# Allegro board PandaX_III_V3.brd (continued)
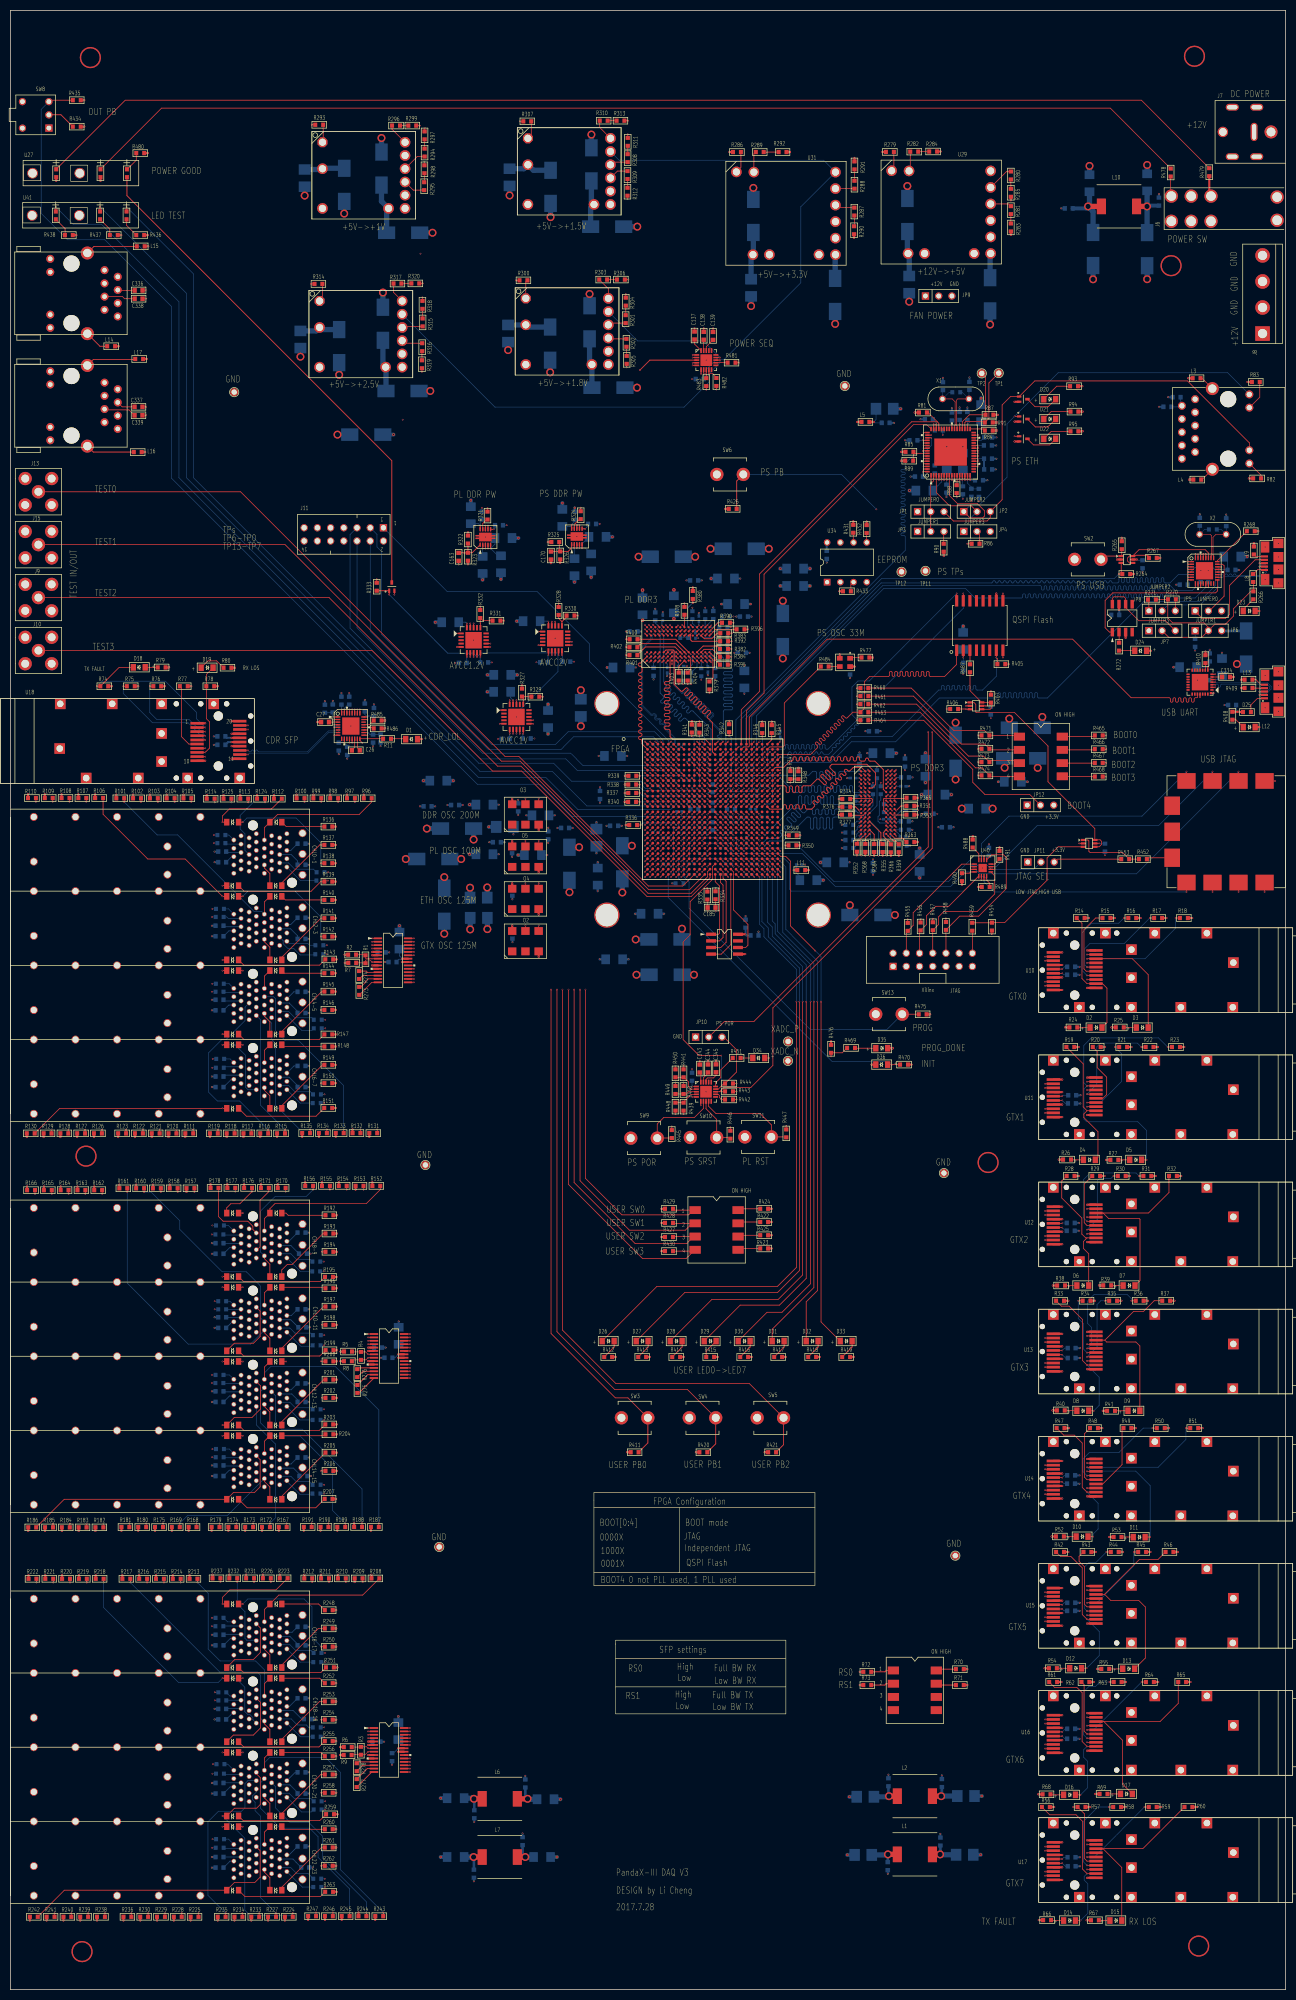
[diagram p0: board, top side]
## Routing (per net, layer and track width the routed paths; a pad name or vN(x,y) marks a point on that pad's centre or on a via; arc(x,y) is an arc through that point) (continued)
  BOTTOM w0.127: v1(143.93,213.62) 143.93,204.56 144.78,203.71 144.78,202.13 151.03,195.89 v1(151.03,189.69)
USER_LED1: length 117.4
  TOP w0.102: U1.AE22 v1(143.93,214.62)
  TOP w0.127: D27.1 129.57,133.83 147.4,133.83 151.59,138.02 v1(151.59,189.69)
  BOTTOM w0.127: v1(151.59,189.69) 151.59,196.17 145.62,202.13 145.62,203.84 144.4,205.06 144.4,214.17 143.96,214.62 v1(143.93,214.62)
USER_LED2: length 113.9
  TOP w0.102: U1.AC23 v1(144.93,216.62)
  TOP w0.127: v1(152.22,189.69) 152.22,137.21 147.5,132.49 134.75,132.49 D28.1
  BOTTOM w0.127: v1(144.93,216.62) 144.95,216.62 145.44,216.13 145.44,204.95 146.38,204.01 146.38,202.26 152.22,196.42 v1(152.22,189.69)
USER_LED3: length 108.3
  TOP w0.102: U1.AC24 v1(145.93,216.62)
  TOP w0.127: D29.1 140.22,131.42 147.78,131.42 152.91,136.55 v1(152.91,189.69)
  BOTTOM w0.127: v1(145.93,216.62) 145.93,216.53 146.38,216.08 146.38,205.18 146.94,204.62 146.94,202.72 152.91,196.75 v1(152.91,189.69)
USER_LED4: length 102.1
  TOP w0.102: U1.AD25 v1(146.93,215.62)
  TOP w0.127: v1(153.75,189.69) 153.75,135.54 148.26,130.05 145.38,130.05 D30.1
  BOTTOM w0.127: v1(146.93,215.62) 146.93,215.53 147.42,215.04 147.42,203.15 153.77,196.8 153.77,189.71 v1(153.75,189.69)
USER_LED5: length 97.8
  TOP w0.102: U1.AD26 v1(147.93,215.62)
  TOP w0.127: D31.1 146.37,126.79 154.38,134.8 v1(154.38,189.69)
  BOTTOM w0.127: v1(147.93,215.62) 147.99,215.62 148.41,215.19 148.41,202.97 154.38,197 v1(154.38,189.69)
USER_LED6: length 96.6
  TOP w0.102: U1.AC26 v1(147.93,216.62)
  TOP w0.127: D32.1 152.9,132.05 155.04,134.19 v1(155.04,189.69)
  BOTTOM w0.127: v1(147.93,216.62) 149,215.55 149,203.56 155.04,197.51 v1(155.04,189.69)
USER_LED7: length 99.2
  TOP w0.127: U1.AB26 147.44,218.12 147.98,217.58 148.97,217.58 149.89,216.66 149.89,204.22 v1(154.64,199.47) ; D33.1 155.75,128.19 v1(155.75,189.69)
  BOTTOM w0.127: v1(154.64,199.47) 155.75,198.35 v1(155.75,189.69)
USER_PB0: length 145.7
  TOP w0.102: U1.AA13 v1(133.92,218.62)
  TOP w0.127: v1(103.88,192) 103.88,125.97 116.23,113.62 118.64,113.62 SW3.2
  TOP w0.152: SW3.2 122.48,104.95 R411.2
  SIG3 w0.127: v1(133.92,218.62) 133.49,219.05 126.72,219.05 126.44,218.77 126.44,211.61 116.71,201.88 112.65,201.88 103.88,193.11 v1(103.88,192)
USER_PB1: length 154.5
  TOP w0.102: U1.AB12 v1(132.92,217.62)
  TOP w0.127: v1(105.01,192) 105.01,126.31 116.08,115.24 130.06,115.24 SW4.2
  TOP w0.152: R420.2 135.52,104.78 SW4.2
  SIG3 w0.127: v1(132.92,217.62) 132.35,218.19 127.56,218.19 127.41,218.03 127.41,213.16 127.71,212.85 127.71,212.22 116.4,200.91 112.82,200.91 105.01,193.1 v1(105.01,192)
USER_PB2: length 162.6
  TOP w0.102: U1.AC11 v1(131.92,216.62)
  TOP w0.127: SW5.2 141.98,116.36 116.33,116.36 106.07,126.62 v1(106.07,192)
  TOP w0.152: SW5.2 148.56,104.62 R421.2
  SIG3 w0.127: v1(106.07,192) 106.07,193.02 112.9,199.85 116,199.85 128.37,212.22 128.37,216.92 128.6,217.15 131.39,217.15 v1(131.92,216.62)
USER_SW0: length 101.6
  TOP w0.102: U1.AD13 v1(133.92,215.62)
  TOP w0.127: v1(110.49,192) 110.49,155.75 117.5,148.74 130.33,148.74 131.24,149.66 ; 131.24,149.66 127.56,149.66 R429.2 ; 131.24,149.66 SW7.1
  SIG3 w0.127: v1(110.49,192) 115.52,192 132.36,208.84 132.36,213.08 133.92,214.64 v1(133.92,215.62)
USER_SW1: length 103.4
  TOP w0.102: U1.AE12 v1(132.92,214.62)
  TOP w0.127: v1(109.45,192) 109.45,155.3 118.95,145.8 129.67,145.8 130.99,147.12 ; 130.99,147.12 127.39,147.12 R428.2 ; 130.99,147.12 SW7.2
  SIG3 w0.127: v1(109.45,192) 111.73,194.29 116.54,194.29 131.37,209.12 131.37,214.02 131.52,214.17 132.48,214.17 v1(132.92,214.62)
USER_SW2: length 105.9
  TOP w0.102: U1.AE11 v1(131.92,214.62)
  TOP w0.127: v1(108.31,192) 108.31,154.97 120.01,143.26 129.95,143.26 131.27,144.58 ; 131.27,144.58 127.39,144.58 R427.2 ; 131.27,144.58 SW7.3
  SIG3 w0.127: v1(131.92,214.62) 130.64,214.62 130.53,214.5 130.53,210.26 117.53,197.26 113.56,197.26 v1(108.31,192)
USER_SW3: length 111.7
  TOP w0.102: U1.AC12 v1(132.92,216.62)
  TOP w0.127: R430.2 131.31,141.78 SW7.4 131.52,142.04 129.82,140.34 121.49,140.34 107.24,154.59 v1(107.24,192)
  SIG3 w0.127: v1(132.92,216.62) 132.48,216.18 129.64,216.18 129.39,215.93 129.39,212.65 115.6,198.86 113.18,198.86 107.24,192.91 v1(107.24,192)
USER_TP0: length 78.8
  TOP w0.102: U1.E6 v1(126.92,235.62)
  BOTTOM w0.127: J11.1 83.95,268.4 101.22,268.4 111.23,258.4 111.23,255.04 126.52,239.75 126.52,235.97 126.86,235.62 v1(126.92,235.62)
USER_TP1: length 90.1
  TOP w0.102: U1.D5 v1(125.92,236.62)
  BOTTOM w0.127: v1(125.92,236.62) 125.92,236.66 125.37,237.21 125.37,239.9 123.77,241.5 107.16,241.5 104.72,239.07 92.46,239.07 71.3,260.22 71.3,276.12 70.43,276.99 70.43,279.38 J11.3
USER_TP2: length 92.7
  TOP w0.102: U1.G5 v1(125.92,233.62)
  BOTTOM w0.127: v1(125.92,233.62) 125.92,233.62 125.45,234.09 108.92,234.09 106.71,236.3 90.35,236.3 65.27,261.38 65.27,279.36 66.57,280.67 J11.5
USER_TP3: length 85.7
  TOP w0.102: U1.C6 v1(126.92,237.62)
  SIG4 w0.127: J11.7 63.09,279.71 63.09,275.64 85.57,253.16 104.17,253.16 119.25,238.08 126.47,238.08 126.92,237.62 v1(126.92,237.62)
USER_TP4: length 90.3
  TOP w0.102: U1.E7 v1(127.92,235.62)
  SIG4 w0.127: v1(127.92,235.62) 127.9,235.62 127.53,235.99 118.47,235.99 103.3,251.16 84.81,251.16 60.45,275.51 60.45,279.6 J11.9
USER_TP5: length 93.8
  TOP w0.102: U1.G6 v1(126.92,233.62)
  SIG4 w0.127: v1(126.92,233.62) 126.92,233.68 126.52,234.09 97.66,234.09 57.84,273.91 57.84,279.53 J11.11
USER_TP6: length 98.2
  TOP w0.102: U1.H6 v1(126.92,232.62)
  SIG4 w0.127: v1(126.92,232.62) 126.92,232.56 126.54,232.18 96.16,232.18 54.56,273.79 54.56,278.79 J11.13
USER_TP7: length 74.9
  TOP w0.102: U1.F4 v1(124.92,234.62)
  SIG1 w0.127: v1(124.92,234.62) 124.49,235.06 124.49,240.11 124,240.59 113.56,240.59 76.02,278.13 J11.2
USER_TP8: length 89.3
  TOP w0.102: U1.E5 v1(125.92,235.62)
  BOTTOM w0.127: J11.4 69.14,260.78 91.85,238.08 105.77,238.08 108.23,240.54 123.55,240.54 124.43,239.65 124.43,236.27 124.56,236.14 125.2,236.14 125.72,235.62 v1(125.92,235.62)
USER_TP9: length 89.8
  TOP w0.102: U1.F7 v1(127.92,234.62)
  BOTTOM w0.127: v1(127.92,234.62) 127.52,235.03 110.01,235.03 107.65,237.39 90.68,237.39 66.6,261.47 J11.6
USER_TP10: length 83.9
  TOP w0.102: U1.C7 v1(127.92,237.62)
  SIG4 w0.127: J11.8 73.93,268.26 73.95,268.26 74.2,268.01 74.2,267.99 74.42,267.77 101.68,267.77 111.15,258.29 111.15,254.76 126.75,239.17 127.1,239.17 127.46,238.81 127.46,238.18 127.92,237.71 v1(127.92,237.62)
USER_TP11: length 84.5
  TOP w0.102: U1.D6 v1(126.92,236.62)
  SIG4 w0.127: v1(126.92,236.62) 126.92,236.73 126.57,237.08 118.97,237.08 104.29,251.77 85.88,251.77 61.52,276.12 J11.10
USER_TP12: length 88.3
  TOP w0.102: U1.F5 v1(125.92,234.62)
  SIG4 w0.127: v1(125.92,234.62) 125.92,234.63 125.55,235 97.59,235 58.98,273.61 J11.12
USER_TP13: length 94.2
  TOP w0.102: U1.G7 v1(127.92,233.62)
  SIG4 w0.127: v1(127.92,233.62) 127.92,233.49 127.53,233.1 121.64,233.1 121.16,233.58 96.16,233.58 56.12,273.62 56.12,277.81 J11.14
XADC_N: length 38
  TOP w0.102: R335.2 133.91,207.8 C185.2 v1(133.96,207)
  SIG4 w0.102: v1(133.96,207) 134.49,207 134.59,206.9 134.59,193.52 147.93,180.19 148.41,180.19 148.51,180.09 148.51,179.2 TP10.1
XADC_P: length 37.3
  TOP w0.102: v1(135.48,207) C185.1 R334.2
  SIG4 w0.102: v1(135.48,207) 134.95,207 134.85,206.9 134.85,193.63 148.03,180.44 148.41,180.44 148.51,180.54 148.51,181.13 TP9.1
N15277247: length 2.7
  TOP w0.127: D25.1 235.46,243.82 R408.2
N15277527: length 2.3
  TOP w0.127: R409.2 238.69,249.88 J14.4
N15277603: length 1.9
  TOP w0.127: C334.1 230.88,252.02 U35.6
N15277643: length 1.4
  TOP w0.127: U35.9 229.62,253.37 R410.1
N15277901: length 2.7
  TOP w0.127: J14.5 240.3,250.53 239.32,251.51 L13.1
N15278231: length 11.6
  TOP w0.127: U36.4 188.24,245.82 188.52,246.1 188.52,246.97 R407.1 188.34,247.14 U36.6 184.38,249.38 R487.1
N15288988: length 3.5
  TOP w0.127: U25.1 100.08,356.09 R307.2
N15289050: length 4.2
  TOP w0.127: U25.10 113.23,357.52 R310.2
N15289184: length 3.8
  TOP w0.127: R309.2 116.62,349.15 U25.7
N15289188: length 1.7
  TOP w0.127: R310.1 R313.2
N15289192: length 1.7
  TOP w0.127: R312.2 R309.1
N15289336: length 1.6
  TOP w0.127: R308.1 118.62,352.43 R311.2
N15289340: length 3.5
  TOP w0.127: U25.8 115.81,350.88 R308.2
N15289432: length 2.3
  TOP w0.127: R321.1 91.52,282.25 90.76,281.49 U28.9
N15289798: length 6.6
  TOP w0.152: C163.1 87.88,275.85 R323.2 ; U28.1 88.71,275.87 R323.2 ; R322.1 R323.2
N15290016: length 3.4
  TOP w0.127: R293.2 60.1,354.82 U23.1
N15290076: length 4.2
  TOP w0.127: U23.10 73.33,357.19 R296.2
N15290212: length 4.3
  TOP w0.127: R295.2 77.4,345.49 U23.7
N15290216: length 1.6
  TOP w0.127: R296.1 R299.2
N15290220: length 1.7
  TOP w0.127: R298.2 79.55,347.07 R295.1
N15290368: length 2.5
  TOP w0.152: U32.9 108.34,281.3 109.36,282.32 R324.1
N15290680: length 6.9
  TOP w0.127: R326.2 105.46,276.3 R325.1
  TOP w0.152: C170.1 105.61,276.1 R326.2 107.17,276.12 107.84,276.8 U32.1
N15290796: length 1.8
  TOP w0.127: R297.2 R294.1
N15290800: length 4.7
  TOP w0.127: U23.8 78.17,351.94 R294.2
N15290950: length 3.6
  TOP w0.127: R300.2 99.02,327.85 U24.1
N15291012: length 4.3
  TOP w0.127: U24.10 114.89,326.56 R303.2
N15291188: length 3.5
  TOP w0.127: U24.7 115.05,316.94 R302.2
N15291192: length 1.9
  TOP w0.127: R306.2 R303.1
N15291196: length 1.8
  TOP w0.127: R302.1 118.36,313.72 R305.2
N15291324: length 1.8
  TOP w0.127: R304.2 118.24,321.51 R301.1
N15291328: length 3.5
  TOP w0.127: R301.2 115.22,319.96 U24.8
N15294561: length 4.5
  TOP w0.127: R332.1 90.78,262.84 R331.2
  TOP w0.152: R332.1 90.27,262.32 90.3,262.29 U22.16
N15295063: length 3.9
  TOP w0.152: R328.2 105.33,263.29 105.97,262.65 ; 105.97,262.65 106.86,263.53 R330.1 ; 105.97,262.65 U21.16
N15295507: length 3.4
  TOP w0.152: R329.1 98.32,248.24 ; 98.32,248.24 98.53,248.03 U20.16 ; 98.32,248.24 R327.2
N15326704: length 3.8
  TOP w0.127: J6.6 222.94,344.48 R478.1
N15330868: length 2.4
  TOP w0.127: R24.1 205.03,184.71 D2.1
N15331044: length 2.4
  TOP w0.127: D3.1 216.31,184.74 R25.1
N15331388: length 12.3
  TOP w0.127: U14.5 206.86,97.89 206.35,98.4 206.35,106.71 R48.1
N15331392: length 13.7
  TOP w0.127: R49.1 213.59,107.53 213.59,100.79 209.88,97.08 U14.4
N15331892: length 2.3
  TOP w0.127: R481.1 135.56,312.37 U30.12
N15331992: length 2.6
  TOP w0.127: U30.20 131.44,315.95 C137.1
N15332000: length 2.1
  TOP w0.127: U30.19 133.21,316.75 C138.1
N15332008: length 2.6
  TOP w0.127: C139.1 133.71,315.44 U30.18
N15332434: length 2.6
  TOP w0.127: R68.1 199.95,37.39 D16.1
N15332542: length 2.5
  TOP w0.127: R69.1 D17.1
N15332870: length 2.3
  TOP w0.127: R40.1 204.83,111.2 D8.1
N15333072: length 2.5
  TOP w0.127: R41.1 D9.1
N15333252: length 12.1
  TOP w0.127: U12.5 206.86,146.71 206.32,147.24 206.32,154.67 R29.1
N15333574: length 2.4
  TOP w0.127: R52.1 204.75,87 D10.1
N15333794: length 2.3
  TOP w0.127: D11.1 215.72,86.89 R53.1
N15333837: length 2.1
  TOP w0.127: R282.1 176.5,352.88 R284.2
N15333841: length 3.8
  TOP w0.127: R282.2 172.9,349.42 U29.11
N15333926: length 12.6
  TOP w0.127: U11.5 209.91,171.12 210.64,171.86 210.64,175.18 208.81,177.01 208.81,180.13 R20.1
N15333936: length 16.3
  TOP w0.127: R30.1 v1(211.94,156.21) ; U12.4 v1(206.86,145.9)
  BOTTOM w0.127: v1(206.86,145.9) 208.84,147.88 208.84,155.32 209.25,155.73 211.45,155.73 v1(211.94,156.21)
N15333940: length 18.1
  TOP w0.127: U11.4 v1(206.86,170.31) ; R21.1 v1(212.2,180.98)
  BOTTOM w0.127: v1(212.2,180.98) 213.53,179.66 213.53,174.38 209.47,170.33 206.88,170.33 v1(206.86,170.31)
N15334013: length 3.8
  TOP w0.127: U29.1 169.75,349.66 R279.2
N15334061: length 4.1
  TOP w0.127: R281.2 191.8,342.85 U29.8
N15334065: length 1.8
  TOP w0.127: R283.2 R281.1
N15334125: length 5.1
  TOP w0.127: R280.2 191.4,349.07 U29.9
N15334153: length 1.8
  TOP w0.127: R280.1 R285.2
N15334432: length 14.5
  TOP w0.127: U10.5 206.71,195.53 206.27,195.96 206.27,203.51 208.51,205.74 R15.1
N15334486: length 20.4
  TOP w0.127: R16.1 v1(213.96,205.74) ; U10.4 v1(206.86,194.72)
  BOTTOM w0.127: v1(213.96,205.74) 212.97,204.75 207.75,204.75 205.92,202.92 205.92,195.66 v1(206.86,194.72)
N15334680: length 2.4
  TOP w0.127: R26.1 203.83,159.31 206.17,159.31
N15335110: length 2.2
  TOP w0.127: R27.1 D5.1
N15335863: length 4.2
  TOP w0.127: R286.2 140.36,349.86 U31.1
N15335912: length 2.4
  TOP w0.127: R66.1 200.02,13.26 D14.1
N15335929: length 4
  TOP w0.127: U31.11 142.85,352.44 R289.2
N15335977: length 3.7
  TOP w0.127: R288.2 162.16,345.79 U31.9
N15335981: length 2.9
  TOP w0.127: R289.1 R292.2
N15335985: length 2.2
  TOP w0.127: R288.1 R291.2
N15336033: length 2.1
  TOP w0.127: R287.1 162.15,338.61 R290.2
N15336037: length 3.8
  TOP w0.127: R287.2 159,342.14 U31.8
N15336038: length 2.1
  TOP w0.127: D15.1 209.19,13.26 R67.1
N15336442: length 13.2
  TOP w0.127: U13.5 v1(206.86,122.3) ; R34.1 v1(205.17,132.26)
  BOTTOM w0.127: v1(206.86,122.3) 206.17,122.99 206.17,127.86 205.17,128.86 v1(205.17,132.26)
N15336656: length 2.3
  TOP w0.127: R38.1 D6.1
N15336684: length 13.2
  TOP w0.127: U15.5 206.86,73.48 206.35,73.99 206.35,81.2 205.33,82.22 205.33,83.19 R43.1
N15336860: length 2.3
  TOP w0.127: 213.79,135.18 213.77,135.21 R39.1
N15336904: length 16.7
  TOP w0.127: R44.1 v1(210.59,84.02) ; U15.4 v1(206.86,72.67)
  BOTTOM w0.127: v1(206.86,72.67) 206.35,73.18 206.35,81.13 207.24,82.02 208.58,82.02 v1(210.59,84.02)
N15337012: length 15.2
  TOP w0.127: U13.4 v1(206.86,121.49) ; R35.1 v1(210.27,132.26)
  BOTTOM w0.127: v1(206.86,121.49) 208.79,123.42 208.79,131.55 209.5,132.26 v1(210.27,132.26)
N15337194: length 2.5
  TOP w0.127: R54.1 D12.1
N15337320: length 2.6
  TOP w0.127: R55.1 213.69,61.57 D13.1
N15352327: length 3.8
  TOP w0.152: 116,124.51 116,123.37 R412.1
N15352363: length 3.8
  TOP w0.152: R413.1 122.53,123.37 D27.2
N15352407: length 3.8
  TOP w0.152: R414.1 129.06,123.37 D28.2
N15352475: length 3.8
  TOP w0.152: R415.1 133.69,122.61 D29.2
N15352519: length 3.8
  TOP w0.152: R416.1 142.13,123.37 D30.2
N15354007: length 2
  TOP w0.127: U34.3 161.49,269.72 R433.1
N15354087: length 4.4
  TOP w0.127: SW7.5 140.07,142.29 R423.1
N15354395: length 4.4
  TOP w0.127: SW7.8 140.07,149.91 R424.1
N15354449: length 4.4
  TOP w0.127: SW7.7 140.07,147.37 R422.1
N15354453: length 4.4
  TOP w0.127: SW7.6 140.07,144.83 R425.1
N15354888: length 3.9
  TOP w0.127: R480.1 24.18,351.23 22.45,349.51 U27.7
N15356279: length 3.5
  TOP w0.127: R314.2 59.94,324.75 U26.1
N15356341: length 4
  TOP w0.127: R317.2 73.61,325.87 U26.10
N15356469: length 4.1
  TOP w0.127: R316.2 75.75,316.1 U26.7
N15356473: length 1.9
  TOP w0.127: R317.1 77.01,327.56 R320.2
N15356477: length 1.8
  TOP w0.127: R316.1 79.07,314.53 R319.2
N15356585: length 1.9
  TOP w0.127: R315.1 79.2,322.68 R318.2
N15356589: length 4
  TOP w0.127: R315.2 75.47,319.33 U26.8
N15358771: length 6.8
  TOP w0.127: R451.2 136.5,176.58 136.5,175.11 135.49,174.1 U38.15
N15358823: length 2.3
  TOP w0.127: R451.1 D34.2
N15359423: length 3.9
  TOP w0.152: SW1.8 178.17,61.52 R70.1
N15359430: length 3.9
  TOP w0.152: SW1.7 178.17,58.47 R71.1
N15360001: length 2.1
  TOP w0.127: O1.3 159.34,254.03 R484.2
N15360071: length 2.2
  TOP w0.127: O1.1 161.49,255.75 R477.1
N15361005: length 13.5
  TOP w0.127: JP10.3 137.08,182.88 139.52,180.44 139.52,176.18 R444.1 137.09,173.97 136.01,172.89 U38.14
N15361284: length 6.5
  TOP w0.102: U1.AB8 v1(128.92,217.62)
  BOTTOM w0.127: v1(128.92,217.62) 128.42,217.12 128.42,213.31 R344.1
N15362351: length 4.8
  TOP w0.127: U38.4 130.79,171.89 129.34,170.44 R439.1 R448.2
N15362355: length 4.2
  TOP w0.127: R449.2 R440.1 129.87,171.96 130.3,172.39 U38.3
N15362359: length 5.5
  TOP w0.127: R450.2 R441.1 129.41,175.16 130.3,174.27 130.3,173.41 130.82,172.89 U38.2
N15362510: length 9.9
  TOP w0.152: R342.1 v1(138.1,240.74) ; U1.H16 v1(137.93,232.62)
  BOTTOM w0.152: v1(138.1,240.74) 138.51,240.34 138.51,233.2 v1(137.93,232.62)
N15362645: length 3.4
  TOP w0.127: C345.1 135.59,175.54 135.08,175.03 133.94,175.03 133.65,174.75 U38.18
N15362653: length 2.2
  TOP w0.127: U38.19 133.15,175.07 134.04,175.95 C344.1
N15362673: length 1.9
  TOP w0.127: U38.20 132.65,175.88 C343.1
N15362832: length 11.6
  TOP w0.152: U1.K12 v1(132.92,230.62) ; R343.2 v1(132.38,240.64)
  BOTTOM w0.127: v1(132.92,230.62) 132.38,231.16 v1(132.38,240.64)
N15362886: length 8.5
  TOP w0.102: U1.T7 v1(127.92,223.62)
  TOP w0.127: R336.2 v1(121.11,223.6)
  BOTTOM w0.127: v1(127.92,223.62) 127.56,223.98 121.46,223.98 121.11,223.62 v1(121.11,223.6)
N15362952: length 17.6
  TOP w0.102: U1.N14 v1(135.93,227.62)
  TOP w0.127: R334.1 v1(135.48,211.56)
  SIG2 w0.127: v1(135.48,211.56) 135.48,227.18 v1(135.93,227.62)
N15362970: length 16
  TOP w0.102: U1.P13 v1(133.92,225.62)
  TOP w0.127: R335.1 v1(133.91,211.51)
  SIG2 w0.127: v1(133.91,211.51) 134.52,212.12 134.52,225.02 v1(133.92,225.62)
N15363194: length 10.5
  TOP w0.102: U1.H9 v1(129.92,232.62)
  TOP w0.127: R339.2 v1(120.95,233.05)
  BOTTOM w0.127: v1(120.95,233.05) 129.5,233.05 v1(129.92,232.62)
N15365060: length 13.4
  TOP w0.102: U1.K11 v1(131.92,230.62)
  TOP w0.127: R338.1 v1(120.93,231.37)
  BOTTOM w0.127: v1(120.93,231.37) 120.93,230.86 121.62,230.18 131.5,230.18 131.92,230.6 v1(131.92,230.62)
N15365160: length 11.8
  TOP w0.102: U1.K10 v1(130.92,230.62)
  TOP w0.127: R341.2 v1(130.91,240.67)
  BOTTOM w0.127: v1(130.92,230.62) 131.37,231.07 131.37,240.21 v1(130.91,240.67)
N15366806: length 9.6
  TOP w0.102: U1.N8 v1(128.92,227.62)
  TOP w0.127: R340.2 v1(120.9,228.04)
  BOTTOM w0.127: v1(128.92,227.62) 128.5,228.04 v1(120.9,228.04)
N15366872: length 10.8
  TOP w0.102: U1.L9 v1(129.92,229.62)
  TOP w0.127: R337.2 v1(120.93,229.74)
  BOTTOM w0.127: v1(129.92,229.62) 129.85,229.62 129.41,229.19 121.49,229.19 v1(120.93,229.74)
N15370771: length 14
  TOP w0.102: U1.H18 v1(139.93,232.62)
  TOP w0.127: R347.1 v1(149.86,231.73)
  TOP w0.152: R347.1 151.38,232.41 R348.2
  SIG1 w0.127: v1(139.93,232.62) 140.44,232.11 149.53,232.11 149.86,231.78 v1(149.86,231.73)
  BOTTOM w0.152: C268.1 140.41,232.14 v1(139.93,232.62)
N15371363: length 2.5
  TOP w0.152: R345.1 146.28,239.97 U1.A24
N15371367: length 6.5
  TOP w0.102: U1.E23 v1(144.93,235.62)
  TOP w0.127: R346.2 v1(144.45,240.56)
  BOTTOM w0.127: v1(144.45,240.56) 144.48,240.54 144.48,236.12 144.93,235.67 v1(144.93,235.62)
N15371637: length 7.8
  TOP w0.102: U1.V21 v1(142.93,221.62)
  TOP w0.127: R349.1 v1(148.87,221.62)
  SIG3 w0.127: v1(142.93,221.62) 142.98,221.62 143.54,222.17 148.31,222.17 v1(148.87,221.62)
N15371671: length 7.7
  TOP w0.102: U1.W21 v1(142.93,220.62)
  TOP w0.127: R350.2 v1(148.82,219.69)
  SIG3 w0.127: v1(148.82,219.69) 148.39,220.12 143.43,220.12 v1(142.93,220.62)
N15988634: length 46
  TOP w0.127: R129.2 v1(7.9,165.1)
  SIG3 w0.127: v1(7.9,165.1) 7.9,167.11 15.24,174.45 39.62,174.45 40.77,175.59 43.21,175.59 43.94,176.33 44.78,176.33 45.14,175.97 J3.4L6
N15988662: length 37.1
  TOP w0.127: R127.2 v1(14.35,165.1)
  SIG1 w0.127: v1(14.35,165.1) 23.93,174.68 39.47,174.68 40.34,175.54 43.31,175.54 44.16,174.69 45.39,174.69 J3.4L5
N15988690: length 43.5
  TOP w0.127: R128.2 v1(11.13,165.1)
  SIG3 w0.127: J3.4L4 48.01,173.62 48.01,171.3 46.66,169.95 15.98,169.95 v1(11.13,165.1)
N15988870: length 37.1
  TOP w0.127: R123.2 v1(22.22,165.1)
  SIG3 w0.127: v1(22.22,165.1) 24.03,166.9 46.02,166.9 50.93,171.81 50.93,174.5 50.65,174.77 J3.4T6
N15988970: length 32.7
  TOP w0.127: R121.2 v1(28.68,165.1)
  SIG2 w0.127: J3.4T5 50.23,175.57 51.03,174.78 51.03,173.87 51.02,173.87 51.02,171.68 51.03,171.67 51.03,168.1 47.37,164.44 29.34,164.44 v1(28.68,165.1)
N15988978: length 32.6
  TOP w0.127: R122.2 v1(25.45,165.1)
  SIG1 w0.127: v1(25.45,165.1) 26.95,166.6 45.69,166.6 47.97,168.87 47.97,175.54 J3.4T4
N15989690: length 38.2
  TOP w0.127: R104.2 v1(31.55,228.02)
  SIG1 w0.127: v1(31.55,228.02) 31.55,222.58 42.8,211.33 46.33,211.33 47.78,209.88 49,209.88 50.93,207.95 50.93,203.53 50.67,203.27 J3.2T6
N15989746: length 37.8
  TOP w0.127: R102.2 v1(25.1,228.02)
  SIG4 w0.127: v1(25.1,228.02) 25.1,226.37 43,208.46 44.55,208.46 45.15,207.86 45.15,206.46 45.62,205.99 46.17,205.99 46.85,205.31 47.68,205.31 47.97,205.02 47.97,204.44 48.33,204.07 J3.2T5
N15989762: length 35.7
  TOP w0.127: R103.2 v1(28.32,228.02)
  SIG4 w0.127: J3.2T4 48.8,205.29 49.51,206.01 49.51,206.93 49.2,207.25 49.2,209.6 46.84,211.96 42.04,211.96 38.35,215.65 38.35,217.98 v1(28.32,228.02)
N15990070: length 23
  TOP w0.127: R97.2 v1(66.19,228.02)
  SIG1 w0.127: v1(66.19,228.02) 61.98,223.8 51.79,223.8 50.95,222.96 50.95,219.09 J3.1T5
N15990086: length 20.3
  TOP w0.127: R98.2 v1(62.97,228.02)
  SIG1 w0.127: v1(62.97,228.02) 59.77,224.82 51.99,224.82 49.33,222.15 49.33,221.26 49.61,220.98 49.61,220.37 48.8,219.56 J3.1T4
N15990740: length 52.1
  TOP w0.127: R109.2 v1(8.13,228.07)
  SIG1 w0.127: J3.2L6 45.46,204.47 45.11,204.83 45.11,208.31 36.55,216.87 18.52,216.87 8.13,227.25 v1(8.13,228.07)
N15990788: length 46.6
  TOP w0.127: R107.2 v1(14.58,228.07)
  SIG4 w0.127: v1(14.58,228.07) 14.58,220.4 28.24,206.73 40.74,206.73 41.83,205.64 43.34,205.64 44.02,204.96 44.59,204.96 J3.2L5
N15990796: length 49.2
  TOP w0.127: R108.2 v1(11.35,228.07)
  SIG2 w0.127: v1(11.35,228.07) 18.77,220.65 20.78,220.65 32.45,208.98 43.98,208.98 45.11,207.85 45.11,204.7 45.29,204.52 46.05,204.52 47.25,203.32 J3.2L4
N15991702: length 13.8
  TOP w0.127: R125.2 v1(42.47,227.94)
  SIG4 w0.127: J3.1L6 47.3,218.72 47.98,219.41 47.98,224.64 44.68,227.94 v1(42.47,227.94)
N15991750: length 14.8
  TOP w0.127: R124.2 v1(48.92,227.94)
  BOTTOM w0.127: J3.1L5 45.86,217.92 45.06,218.72 45.06,221.92 44.15,222.84 44.15,225.45 46.63,227.94 v1(48.92,227.94)
N15991758: length 13.2
  TOP w0.127: R113.2 v1(45.69,227.94)
  SIG1 w0.127: v1(45.69,227.94) 45.08,227.33 45.08,218.95 45.34,218.7 46.28,218.7 46.59,218.39 46.59,217.79 J3.1L4
N15991942: length 33.5
  TOP w0.127: R134.2 v1(60.81,165.15)
  SIG1 w0.127: v1(60.81,165.15) 60.99,165.33 60.99,179.45 58.62,181.81 52.53,181.81 49.51,184.83 49.51,186.12 49.35,186.28 49.35,186.87 49.68,187.2 49.68,187.68 49.43,187.94 49.43,188.39 J3.3T6
N15991990: length 38
  TOP w0.127: R132.2 v1(67.26,165.15)
  SIG1 w0.127: v1(67.26,165.15) 67.26,177.8 62.56,182.5 53.11,182.5 50.9,184.71 50.9,189.11 J3.3T5
N15991998: length 35
  TOP w0.127: R133.2 v1(64.03,165.15)
  BOTTOM w0.127: v1(64.03,165.15) 64.03,173.56 55.3,182.3 52.73,182.3 50.95,184.07 50.95,190.25 50.58,190.62 J3.3T4
N15992586: length 8.5
  TOP w0.127: J3.1T21 52.99,223.29 R136.1
N15992594: length 11.7
  TOP w0.127: R137.1 59.42,219.77 52.14,212.49 J3.1T23
N15992642: length 22.7
  TOP w0.127: J3.1L21 v1(44.65,224.15) ; R138.1 v1(59.64,216.26)
  BOTTOM w0.127: v1(44.65,224.15) 45.45,224.94 54.89,224.94 59.64,220.19 v1(59.64,216.26)
N15992646: length 17.7
  TOP w0.127: R139.1 59.64,212.74 57.77,210.87 44.91,210.87 J3.1L23
N15992750: length 8.5
  TOP w0.127: J3.2T21 52.82,209.22 R140.1
N15992758: length 11.8
  TOP w0.127: J3.2T23 52.14,198.2 59.64,205.7 R141.1
N15992766: length 22.6
  TOP w0.127: R142.1 v1(59.64,202.18) ; J3.2L21 v1(44.65,209.9)
  BOTTOM w0.127: v1(44.65,209.9) 44.65,209.9 45.54,210.8 54.79,210.8 59.64,205.94 v1(59.64,202.18)
N15992774: length 17.5
  TOP w0.127: J3.2L23 44.84,196.7 59.41,196.7 R143.1
N15992890: length 20.3
  TOP w0.127: R99.2 v1(59.74,228.02)
  SIG2 w0.127: J3.1T6 48.06,218.27 48.06,223.04 51.28,226.26 57.99,226.26 v1(59.74,228.02)
N15992930: length 29.2
  TOP w0.127: R118.2 v1(43.08,165.1)
  SIG4 w0.127: v1(43.08,165.1) 41.83,166.35 41.83,179.81 47.98,185.95 47.98,189.49 J3.3L6
N15993030: length 36
  TOP w0.127: R116.2 v1(49.53,165.1)
  BOTTOM w0.127: J3.3L5 45.86,189.42 45.08,188.65 45.08,186.06 41.45,182.42 40.64,182.42 38.1,179.88 38.1,172.29 39.78,170.61 44.02,170.61 v1(49.53,165.1)
N15993058: length 40.1
  TOP w0.127: R117.2 v1(46.3,165.1)
  SIG4 w0.127: J3.3L4 45.6,188.62 45.03,188.06 45.03,185.45 44.42,184.84 40.94,184.84 37.67,181.56 37.67,165.69 39.01,164.34 45.54,164.34 v1(46.3,165.1)
N15993246: length 8.4
  TOP w0.127: R144.1 52.64,195.14 J3.3T21
N15993254: length 11.9
  TOP w0.127: R145.1 59.82,191.62 52.14,183.94 J3.3T23
N15993262: length 23.4
  TOP w0.127: R146.1 v1(59.64,188.11) ; J3.3L21 v1(44.65,195.65)
  SIG1 w0.127: v1(59.64,188.11) 58.83,188.92 58.83,194.08 56.34,196.57 45.59,196.57 44.67,195.65 v1(44.65,195.65)
N15993270: length 17.3
  TOP w0.127: R147.1 59.36,182.42 44.86,182.42 J3.3L23
N15993282: length 8.3
  TOP w0.127: R148.1 52.47,181.07 J3.4T21
N15993290: length 11.9
  TOP w0.127: J3.4T23 52.14,169.72 59.97,177.55 R149.1
N15993312: length 22.6
  TOP w0.127: R150.1 v1(59.64,174.03) ; J3.4L21 v1(44.65,181.4)
  SIG1 w0.127: v1(44.65,181.4) 44.69,181.4 45.47,182.17 50.98,182.17 52.1,181.05 56.72,181.05 58.34,179.43 58.34,175.33 v1(59.64,174.03)
N15993320: length 17.7
  TOP w0.127: J3.4L23 45.34,167.69 58.72,167.69 R151.1
N16030402: length 45.7
  TOP w0.127: R185.2 v1(8.18,89.46)
  SIG1 w0.127: v1(8.18,89.46) 8.18,91.01 16.94,99.77 40.89,99.77 41.72,100.6 43.23,100.6 43.64,101.02 43.64,101.02 43.87,101.25 44.81,101.25 45.14,100.92 J4.4L6
